# Allegro board RK3588S_Template_LP5D315P232SD10H2_42x42_2750MHz_1R2_V10_20220413YWQ.brd (continued)
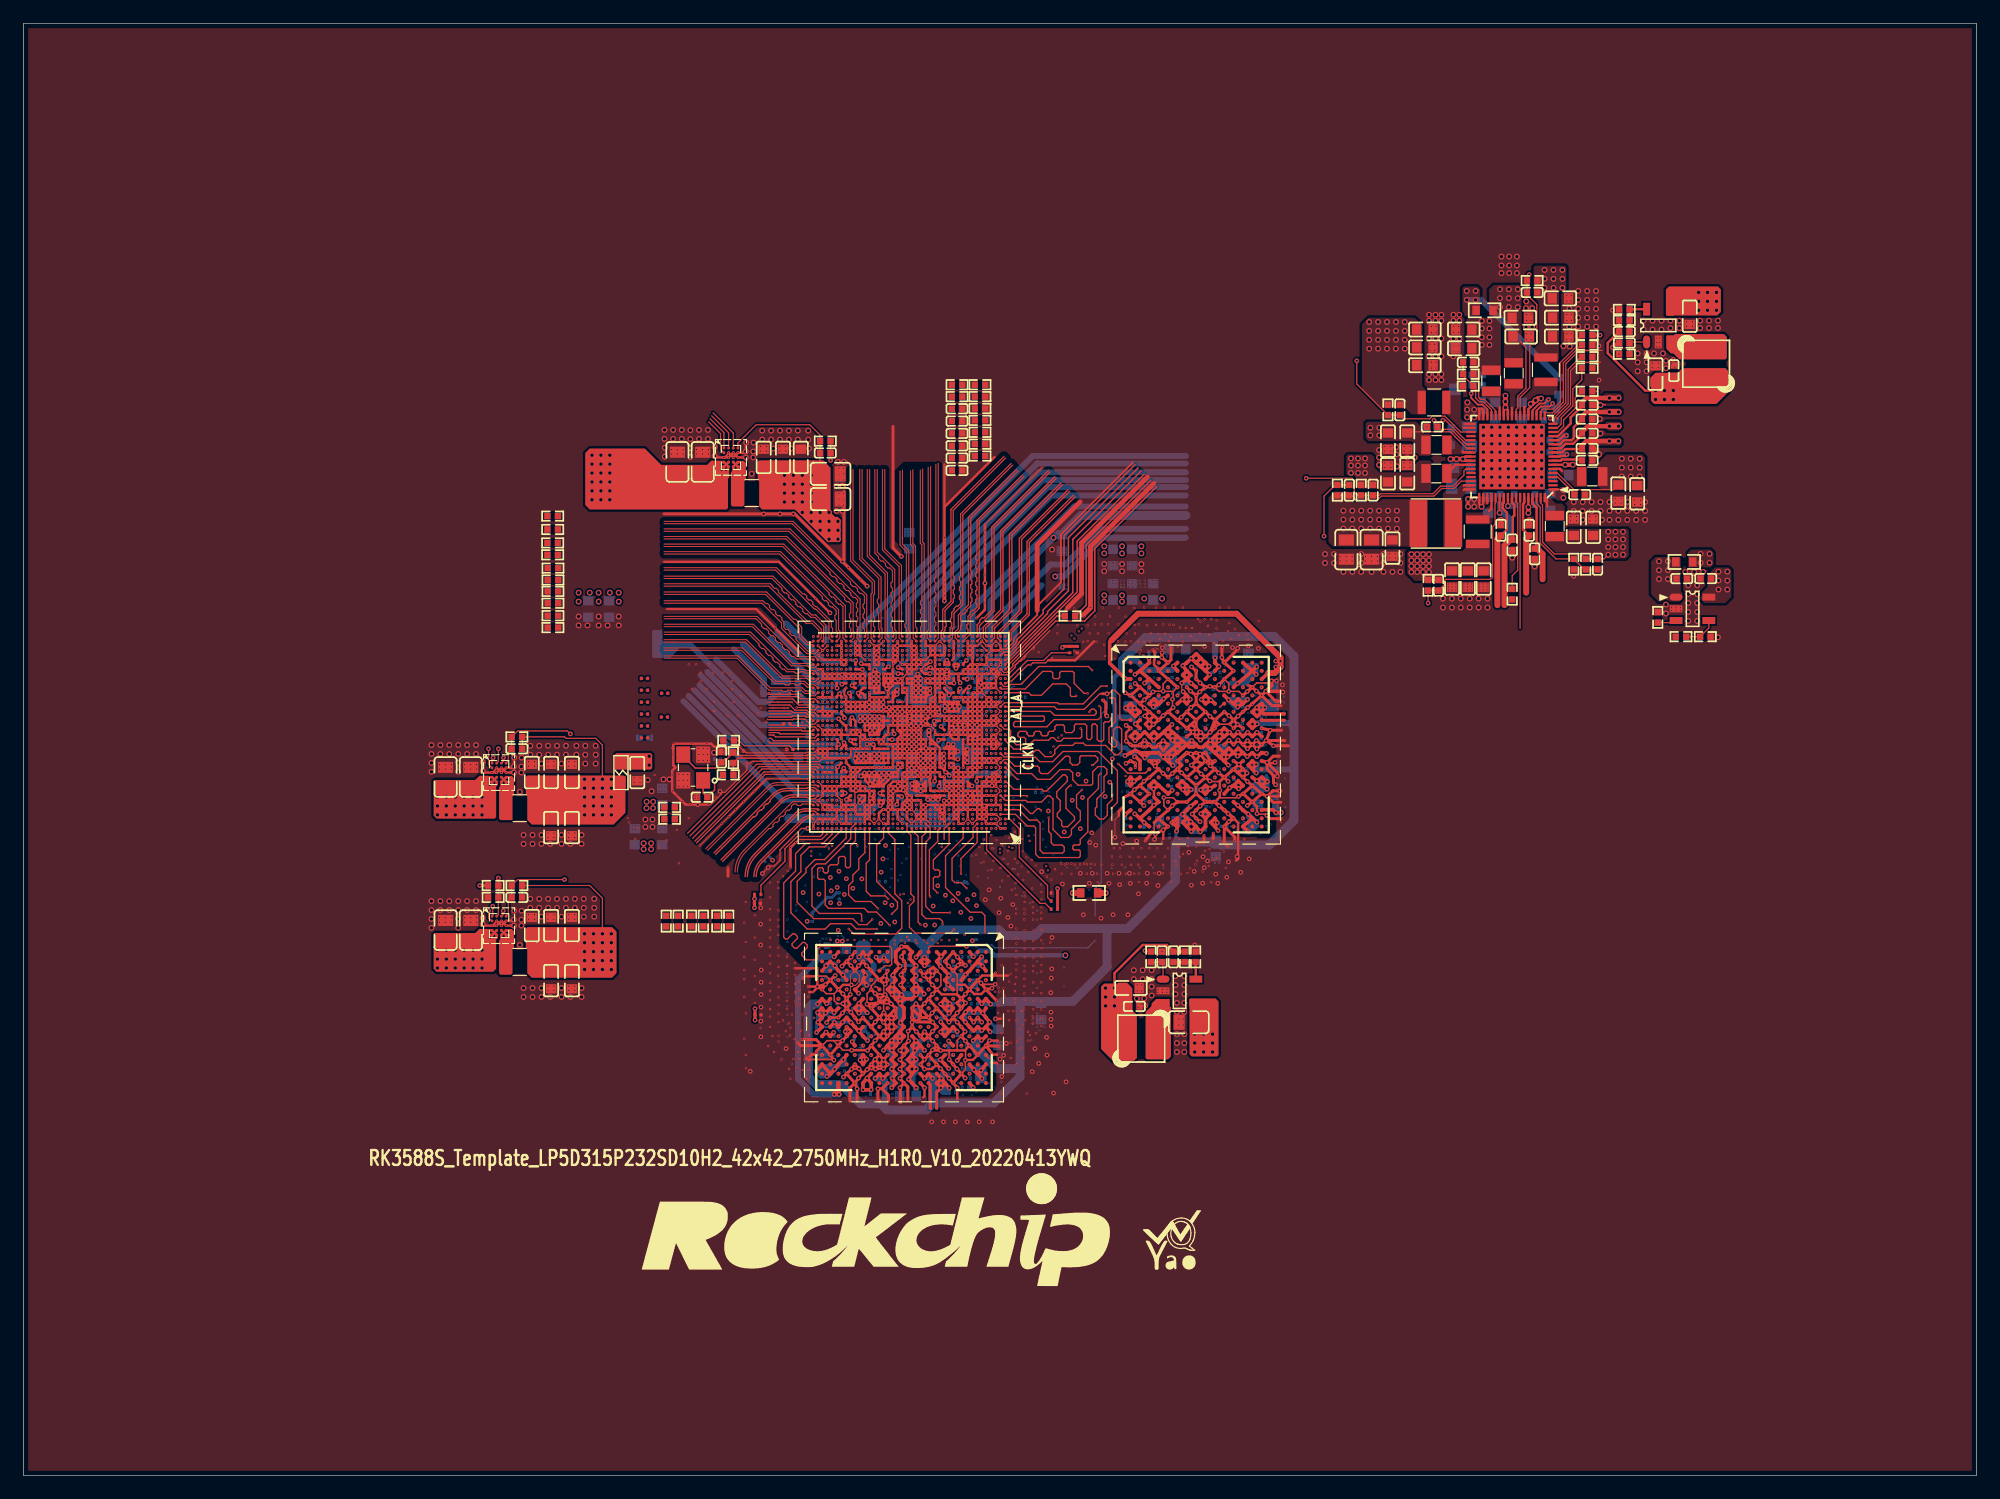
[diagram p0: board, top side]
## Routing (per net, layer and track width the routed paths; a pad name or vN(x,y) marks a point on that pad's centre or on a via; arc(x,y) is an arc through that point) (continued)
  L8-S3 w0.152: 84.85,46.56 84.46,46.95 ; 84.46,46.95 84.67,46.95 84.96,46.66 ; 84.46,46.95 v1(84.37,46.95) ; v4(80.49,44.05) 80.34,43.9 v6(80.06,43.9) 79.91,43.9 79.85,43.96 ; v6(83.93,46.85) 84.27,46.85 v1(84.37,46.95) ; v6(83.93,46.85) 83.93,46.9 83.53,47.3 v6(83.45,47.3) 83.46,47.29 v6(83.72,47.29) 83.74,47.29 ; v6(83.93,46.85) 83.92,46.87 v6(83.92,47.12) ; v6(73.97,46.31) 73.72,46.31 v6(73.67,46.26) ; 81.31,42.85 81.29,42.84 v4(80.98,42.84) ; 81.31,42.85 v6(81.31,43.09) ; 81.31,42.85 v5(81.41,42.76) ; v4(79.11,41.09) 78.91,41.09 78.78,40.96 ; v4(79.11,41.09) 79.11,40.82 79.13,40.8 ; v4(79.11,41.09) 79.26,40.93 v6(79.59,40.93) ; v6(79.41,40.8) 79.13,40.8 ; 77.96,41.14 78.09,41 v6(78.09,40.79) 78.13,40.83 ; 79.13,40.8 78.98,40.8 ; 78.98,40.8 78.9,40.88 ; 78.98,40.8 78.92,40.74 v6(78.78,40.74) ; v6(80.43,47.11) 80.28,47.11 v6(80.21,47.18) v6(79.7,47.18) ; v6(78.16,51.84) 78.16,52.03 v6(78.24,52.11) 78.46,52.11 v6(78.53,52.19) 78.71,52.19 v6(78.79,52.1) 78.8,52.1 v6(79.05,51.85) ; 72.03,36.53 71.8,36.76 v6(71.8,36.79) ; 97.79,64.61 97.83,64.66 97.83,64.94 ; 97.79,64.61 97.4,64.61 v6(97.31,64.51) 97.3,64.51 97.11,64.33 v6(97.11,64.3) 96.9,64.3 v6(96.85,64.36) ; 97.79,64.61 v6(98.33,64.61) ; v6(83.06,59.92) 82.92,60.06 v4(82.76,60.06) v6(82.76,59.76) ; v6(78.87,51.72) 78.99,51.72 v4(79.23,51.48) ; v4(79.75,41.83) 79.75,41.56 79.78,41.52 ; 78.78,40.96 v6(78.78,40.74) ; 78.78,40.96 78.78,41.11 v6(78.77,41.12) ; v1(76.29,37.94) 76.35,38.01 v5(76.35,38.85) 76.23,38.73 v1(75.93,38.73) ; 84.26,46.95 83.92,47.29 83.74,47.29 ; 84.26,46.95 v1(84.37,46.95) ; 84.26,46.95 84.08,46.95 v6(83.92,47.12) ; v6(83.92,47.12) 83.74,47.29 ; v6(81.74,46.3) 81.56,46.3 v6(81.46,46.4) 81.36,46.5 v6(81.36,46.64) ; v6(73.71,48.12) 73.62,48.04 v6(73.62,47.83) 73.6,47.83 v6(73.44,47.67) ; v1(82.51,50.05) 82.94,50.05 83.04,50.15 ; v6(79.21,50.75) 79.46,50.75 v6(79.52,50.81) ; v4(97.04,65.55) 96.95,65.46 v6(96.95,65.01) ; 84.75,46.46 84.37,46.84 v1(84.37,46.95) ; 78.13,40.83 v6(78.13,41.04) 77.78,41.04 v1(77.69,41.14) ; 78.13,40.83 78.16,40.85 v4(78.44,40.85) 78.55,40.74 v6(78.78,40.74) ; v4(80.62,68.83) 80.62,69.06 v5(80.72,69.16) ; v6(73.68,46.97) 73.72,47 v6(73.93,47) ; v6(79.34,51.08) 79.34,51.08 v4(79.84,51.08) ; v1(70.77,36.35) 70.79,36.35 71.2,36.76 ; v6(79.91,41.52) 79.78,41.52 ; 79.78,41.52 79.68,41.52 v6(79.66,41.49) ; 78.67,40.85 78.67,40.99 78.66,41.01 ; 87.76,62.11 87.08,62.11 v4(86.83,62.36) ; v6(83.09,48.88) 83.09,48.66 v6(83.07,48.64) ; v1(69.72,48.87) 69.5,48.87 69.43,48.95 ; 79.82,55.98 79.59,55.74 v6(79.48,55.74) 79.43,55.79 v6(79.43,56.05) 79.77,56.05 v4(79.84,55.98) 79.82,55.98
  L8-S3 w0.203: v5(83.99,64.14) 83.99,64.6 v5(83.82,64.77) ; 99.73,70.51 99.73,70.68 ; 99.73,70.51 99.76,70.55 v6(99.76,70.81) 100.15,70.81 ; 99.73,70.51 v6(99.65,70.44) ; 93.46,67.85 v6(93.47,67.84) 93.67,67.64 v4(93.81,67.64) ; 93.46,67.85 93.14,68.17 ; 93.46,67.85 93.46,68.17 ; v4(89.27,68.14) 89.08,67.95 88.82,67.95 88.64,67.77 88.64,66.81 v4(88.65,66.8) ; v4(73.67,59.18) 74.37,59.18 v4(74.42,59.23) 74.7,59.51 v4(74.78,59.51) 75.21,59.51 75.23,59.54 75.26,59.54 v4(75.27,59.55) 75.26,59.56 75.39,59.69 75.39,59.79 75.34,59.84 75.32,59.84 v5(75.31,59.86) 75.32,59.86 75.34,59.87 75.39,59.82 75.54,59.97 v4(75.54,60.07) ; v1(69.99,37.16) 70.22,37.4 v1(70.22,37.94) 70.22,37.96 70.43,38.17 70.76,38.17 v1(71.36,38.77) ; v1(69.99,37.16) 70.77,36.38 v1(70.77,36.35) 70.55,36.35 69.96,36.93 69.96,37.14 v1(69.99,37.16) ; v1(69.99,37.16) 69.78,37.37 69.1,37.37 ; v1(69.99,37.16) 69.36,37.16 v4(69.33,37.14) 69.1,37.37 ; v4(99.98,70.58) 99.62,70.22 v4(99.07,70.22) ; v5(70.54,60.47) 72.14,60.47 v5(72.16,60.45) 72.24,60.45 72.26,60.47 72.88,60.47 72.9,60.45 ; 93.23,68.39 v4(93.46,68.39) 93.46,68.17 ; 93.23,68.39 93.23,67.97 v6(93.06,67.8) ; 93.23,68.39 92.91,68.39 v4(92.89,68.37) ; v6(90.85,66.42) 90.85,66.17 v4(90.77,66.09) ; v4(79.72,65.24) 79.76,65.2 79.76,64.77 v5(79.88,64.64) 80.42,64.11 v1(80.42,64.11) ; v1(94.13,66.88) 93.84,67.17 v6(93.84,67.26) 93.81,67.29 v4(93.81,67.64) ; 100.74,70.81 100.15,70.81 ; 100.15,70.81 v6(100.18,70.84) ; v1(70.71,44.29) v5(70.71,43.94) v1(70.71,43.57) 70.72,43.55 v1(72.05,43.55) ; v5(78.59,62.48) 78.59,62.71 v6(78.61,62.74) 78.84,62.97 v4(78.87,62.97) v4(79.27,62.97) ; v6(69.09,62.36) 69.37,62.08 v5(69.47,62.08) 69.82,62.08 69.93,62.18 70.39,62.18 v4(70.54,62.33) ; 92.87,68.37 92.13,68.37 v4(91.88,68.12) ; 92.87,68.37 92.53,68.72 ; 92.87,68.37 v4(92.89,68.37) ; v4(70.84,60.71) 73.63,60.71 v4(73.69,60.76) ; 81.04,66.01 v4(81.29,66.26) ; 81.04,66.01 81.03,66 v5(81.03,65.99) 80.72,65.99 v5(80.7,66.01) ; 81.04,66.01 v5(80.7,66.01) ; v6(71.11,40.77) 70.77,41.11 v1(70.65,41.11) 70.59,41.17 v1(70.01,41.17) 70.02,41.16 v1(70.02,40.33) 69.99,40.29 v1(69.99,39.53) 70.05,39.59 v1(70.7,39.59) 70.7,39.43 v1(71.36,38.77) ; 72.19,56.08 v6(72.01,56.26) ; 72.19,56.08 72.07,56.08 72,56.01 v6(71.75,56.01) ; 72.19,56.08 72.29,56.08 ; 69.1,37.37 v4(68.91,37.37) ; v4(75.49,60.5) 75.44,60.5 v5(75.23,60.71) 75.01,60.93 v4(75.01,61.04) ; 93.14,68.17 92.93,68.37 v4(92.89,68.37) ; 93.14,68.17 93.46,68.17 ; v5(80.7,66.01) 80.7,66.04 v4(80.48,66.25) ; 72.15,36.05 72.64,35.56 ; v4(75.11,66.9) 75.11,67.13 v5(75.18,67.21) ; v6(72.17,38.13) 71.52,38.77 v1(71.36,38.77) ; v6(75.87,67.44) 75.74,67.56 v4(75.74,67.72) ; v6(72.39,38.28) 72.77,38.66 v1(72.77,38.76) ; 67.75,36.53 67.75,36.53 v5(68.13,36.53) ; v4(73.12,62.42) 73.55,62.42 v4(73.56,62.43) ; v1(72.12,36.33) 72.12,36.44 72.03,36.53 72.42,36.53 v6(72.65,36.76) ; v5(79.67,72.52) v4(79.67,72.19) ; v4(93.81,67.64) 93.61,67.44 v6(93.49,67.44) ; v4(76.72,69.7) 76.68,69.7 v5(76.45,69.47) 76.43,69.45 v5(76.43,69.01) 76.56,68.88 v4(76.71,68.88) ; v5(78.1,63.53) v5(78.1,63.32) ; v1(73.63,48.95) v5(73.63,49.73) ; v5(80.64,71.15) v4(80.85,70.94)
  L8-S3 w0.254: v4(67.89,57.96) v4(67.39,57.96) v4(66.88,57.96) ; v4(67.89,57.96) 67.73,57.8 v6(67.13,57.8) 67.04,57.8 ; v4(67.89,57.96) 67.82,58.04 66.71,58.04 66.63,57.96 ; v4(91.25,61.13) 91.33,61.13 91.47,60.99 ; v6(92.18,68.37) 92.53,68.72 v4(92.53,68.83) ; 75.57,34.74 75.57,34.74 v1(74.89,34.74) ; 75.57,34.74 v4(75.57,35.11) ; 75.57,34.74 75.57,34.49 v4(75.56,34.48) 75.56,34.48 75.36,34.28 ; v1(102.98,55.87) 102.59,55.49 v6(102.59,55.49) ; v1(102.98,55.87) 102.98,56.52 v1(102.94,56.56) 103.42,56.56 103.75,56.23 ; v1(102.98,55.87) 103.36,55.87 v6(103.64,56.15) ; v4(102.46,64.91) 102.99,64.91 v1(103,64.92) 103.75,64.92 v1(103.78,64.89) ; 70.06,34.1 v4(70.37,34.41) 70.29,34.49 v4(69.94,34.49) 70.06,34.37 70.06,34.1 ; 70.06,34.1 v1(70.06,34.05) ; v1(96.69,60.61) 96.69,60.63 ; 96.69,60.63 96.69,60.63 96.72,60.66 v1(97.37,60) ; 96.69,60.63 96.44,60.88 94.24,60.88 v1(94.21,60.86) 94.19,60.88 93.4,60.88 v1(93.04,61.24) 92.49,61.24 v4(92.33,61.09) 92.17,60.93 v6(91.54,60.93) 91.47,60.99 ; 72.15,36.05 72.15,36.29 v1(72.12,36.33) ; v1(83.03,41.97) 83.03,41.92 v1(82.75,41.64) ; v4(71.64,40.81) 72.11,40.81 v6(72.16,40.77) ; v1(99.79,60.7) 99.74,60.75 v1(99.74,61.66) ; v1(99.79,60.7) 99.87,60.7 v4(100.24,60.33) ; v1(99.79,60.7) 99.63,60.7 v1(98.96,60.03) 98.96,61.48 ; v1(75.59,37.96) 75.59,38.07 75.84,38.32 75.84,38.64 v1(75.93,38.73) ; v1(75.59,37.96) 75.59,37.16 v1(75.62,37.13) ; v1(75.59,37.96) 75.61,37.94 v1(76.29,37.94) ; 98.52,57.45 98.3,57.23 v1(98.16,57.23) ; v6(102.73,57.6) 102.36,57.23 v1(102.17,57.23) ; v6(70.95,35.14) 71.06,35.03 72.77,35.03 ; v6(70.95,35.14) 70.61,35.14 v6(70.61,35.15) ; v6(70.95,35.14) 70.93,35.16 ; v1(80.49,37.14) 80.49,37.82 ; 100.66,70.74 100.22,70.74 100.18,70.78 v4(99.98,70.58) 100.22,70.58 v6(100.36,70.43) ; 100.66,70.74 v6(100.36,70.43) ; 100.66,70.74 100.78,70.85 v1(100.93,70.85) ; v1(95.77,66.29) 95.82,66.25 v1(95.82,64.9) ; v1(99.74,61.66) 98.89,61.66 98.83,61.61 98.96,61.48 ; v1(99.74,61.66) v1(100.54,61.66) 100.74,61.46 v5(100.92,61.46) 100.93,61.46 ; 105.66,58.17 105.82,58.32 105.82,59.59 106.55,60.33 ; v1(101.42,60.65) 101.42,61.26 99.18,61.26 98.99,61.46 ; 91.47,60.99 91.47,60.17 v4(91.59,60.06) ; v6(77.29,35.63) 77.21,35.55 77,35.55 v1(76.99,35.54) ; v6(70.99,35.67) 70.93,35.61 70.93,35.16 ; v1(73.49,34.76) 73.77,34.49 73.77,34.21 ; v5(86.22,38.93) 86.47,38.93 86.47,38.93 ; v5(86.22,38.93) v5(86.22,39.24) 86.5,39.24 86.54,39.21 ; v5(86.22,38.93) 86.22,38.47 86.29,38.41 ; 80.49,37.82 80.49,37.91 v1(80.46,37.94) 80.49,37.96 80.49,38.04 ; 80.49,37.82 v6(80.07,37.4) ; v4(91.04,67.23) 91,67.23 90.82,67.05 90.49,67.05 v4(90.48,67.03) ; v1(77.69,37.14) 77.98,37.43 v6(78.07,37.43) ; v1(80.49,41.14) 80.49,41.13 v1(80.49,40.39) 80.49,40.24 v1(79.78,39.53) ; v1(77.68,37.96) 77.64,37.93 v1(77,37.93) 77,38.69 77.17,38.86 ; v1(77.68,37.96) 77.68,38.73 v1(77.69,38.74) 77.64,38.78 v1(77.64,39.53) 77.62,39.55 v4(77.62,40.09) ; v1(77.68,37.96) v1(77.68,36.36) ; v4(80.16,34.4) 79.82,34.74 v1(79.76,34.74) 79.1,35.4 79.1,35.53 ; 98.96,61.48 98.99,61.46 ; v4(70.71,35.49) 70.71,35.38 70.93,35.16 ; 80.49,38.04 v1(81.19,38.74) 81.2,38.75 v1(81.87,38.75) ; 80.49,38.04 v1(79.79,38.74) ; v1(102.14,67.56) 101.49,67.56 v1(101.37,67.44) 100.82,67.44 v1(100.54,67.72) 100.54,67.01 v1(100.51,66.97) 100.45,67.03 v1(99.72,67.03) ; 102.17,57.85 102.67,57.85 v6(102.71,57.89) ; 102.17,57.85 102.17,58.5 v1(102.22,58.55) ; 102.17,57.85 v1(102.17,57.23) ; v1(73.63,42.69) v1(73.63,41.99) v1(73.63,41.09) 73.6,41.06 73.6,40.26 ; 98.99,61.46 100.93,61.46 ; v6(100.36,70.43) 100.36,69.66 v1(99.81,69.1) ; v6(100.36,70.43) 99.84,70.43 99.84,70.44 ; v4(75.55,35.89) 74.91,35.89 74.89,35.92 ; 73.53,37.96 v1(74.18,37.96) ; 73.53,37.96 v1(73.5,37.93) 73.5,37.79 v4(73.19,37.48) ; 73.53,37.96 73.6,38.04 73.6,40.26 ; v1(74.18,37.96) v1(74.18,38.76) 73.53,38.76 v1(73.49,38.73) ; v1(74.18,37.96) 74.35,37.79 v6(74.69,37.79) ; v1(103.85,60.77) 103.85,60.44 104.22,60.07 104.49,60.07 v1(104.54,60.02) 104.54,59.34 v1(104.58,59.3) 104.58,58.85 104.66,58.78 ; 93.46,54.54 93.72,54.8 v4(93.72,55.35) ; 93.46,54.54 94.69,54.54 v4(95.02,54.88) ; 93.46,54.54 v1(93.26,54.54) 92.64,54.54 v6(92.38,54.28) 92.38,53.86 v6(92.39,53.86) ; v1(97.26,69.9) 97.32,69.96 v1(97.32,70.73) 97.79,70.73 v6(97.93,70.59) 98.01,70.51 ; 84.57,46.28 84.74,46.11 v6(84.74,45.75) ; 84.57,46.28 v6(84.55,46.28) ; 84.57,46.28 85.1,46.81 85.1,48.23 v1(84.54,48.79) ; v1(79.09,33.94) 78.36,34.67 v1(78.36,34.78) 79.1,35.53 ; v4(66.88,57.96) 66.63,57.96 ; v4(66.88,57.96) 67.04,57.8 ; 66.63,57.96 v6(66.58,57.91) 66.69,57.8 67.04,57.8 ; v1(96.64,54.36) 96.64,54.74 v1(96.71,54.82) 96.71,55.11 96.78,55.18 v1(97.39,55.18) 97.39,54.88 v4(97.57,54.7) ; v4(90.62,61.03) 90.46,60.87 v4(90.15,60.87) ; v1(104.6,65.63) 103.97,66.25 103.97,66.46 104.5,66.99 v1(104.56,66.99) ; v1(103.82,58.03) 104.58,58.03 104.59,58.04 ; v1(102.17,57.23) 100.56,57.23 v1(100.54,57.21) 100.54,57.21 v1(99.86,56.52) 99.89,56.52 v1(100.53,55.88) ; v1(76.99,34.74) 76.99,34.66 76.4,34.08 ; 100.93,61.46 v5(101.32,61.46) ; 72.77,35.03 72.77,34.76 v1(72.8,34.73) ; 72.77,35.03 v1(72.77,35.56) 72.64,35.56 ; 70.84,60.71 v4(70.84,60.71) ; v4(72.76,42.17) 72.76,42.15 72.77,42.14 v1(72.77,41.2) 72.16,41.2 v4(72.07,41.11) 72.07,40.29 v1(72.08,40.28) ; v1(100.57,62.84) 100.57,63.49 v1(100.58,63.51) ; 103.64,72.63 v6(103.64,72.5) 103.3,72.17 v1(103.3,70.74) 103.69,70.74 v1(103.75,70.69) 104.14,70.3 104.14,69.85 104.39,69.6 105.54,69.6 105.8,69.33 105.8,68.93 105.79,68.92 105.79,67.06 ; 74.89,35.92 v1(74.89,35.54) 74.87,35.52 v1(73.49,35.52) ; 74.89,35.92 v1(74.89,36.34) ; v1(91.28,54.92) 90.98,54.62 89.7,54.62 v4(89.62,54.55) ; 79.1,35.53 v1(79.1,35.54) ; v1(83.05,39.03) 83.05,39.02 v6(83.31,38.77) ; 73.6,40.26 73.62,40.27 73.87,40.27 73.9,40.31 v1(74.14,40.31) ; v6(90.43,60.18) 90.38,60.18 v1(90.11,59.92) ; v6(90,54.78) 90.3,55.08 v1(90.3,55.28) ; v1(95.12,54.22) 94.71,54.63 v4(94.41,54.63) ; v1(99.93,63.53) 101.37,63.53 v1(101.39,63.51) ; v4(98.25,70.41) 98.16,70.31 v1(97.3,70.31) ; v4(103.4,69.15) 103.4,69.26 103.82,69.68
  L8-S3 w0.305: v4(73.94,63.75) 73.79,63.75 v5(73.66,63.63)
  L8-S3 w0.381: v1(71.39,34.76) 70.78,34.76 v1(70.75,34.73) 70.69,34.73 v4(70.37,34.41) ; v1(71.39,34.76) 71.4,34.76 v1(73.49,34.76) ; v1(71.39,34.76) 71.36,34.73 v1(71.36,33.96) 71.36,33.86 71.68,33.54 ; v1(102.39,69.9) 102.53,69.9 102.81,70.19 ; 74.05,53.89 74.08,53.89 v5(74.42,54.23) 74.42,54.61 v5(74.04,54.99) v5(73.28,54.99) v5(72.01,53.72) v5(71.25,53.72) v5(70.1,53.72) v5(68.71,53.72) v5(68.07,53.09) v5(68.07,51.69) v5(67.56,51.18) v5(66.8,50.42) 66.04,49.66 v5(66.04,48.26) v5(65.28,47.5) v5(65.28,46.48) v5(65.28,45.59) v5(65.28,44.58) v5(65.28,43.56) v5(65.28,42.55) v5(65.28,41.78) v5(65.28,40.89) v5(65.28,40.13) v5(65.28,39.37) v5(65.28,38.61) v5(65.28,37.47) 65.28,36.61 v1(65.16,36.49) 65.02,36.35 65.02,35.81 v5(65.66,35.18) 65.79,35.05 v6(65.79,34.42) 65.79,34.29 v6(66.29,33.78) 66.93,33.15 v6(67.06,33.15) v6(68.07,33.15) v6(69.34,33.15) 70.36,33.15 71.12,32.39 v5(72.01,32.39) 74.8,32.39 74.93,32.51 v6(75.69,32.51) v6(77.09,32.51) v6(78.1,32.51) v6(78.99,32.51) v5(80.26,32.51) v5(81.03,32.51) 83.57,32.51 85.09,34.04 85.09,36.2 85.34,36.45 85.34,37.47 86.29,38.41 ; 74.05,53.89 74.29,53.65 74.41,53.76 ; 74.05,53.89 74,53.84 v1(73.67,53.84) ; 84.02,35.35 83.67,35.35 v1(83.44,35.59) ; 84.18,35.54 83.81,35.91 v1(83.74,35.91) ; v4(67.86,36.97) 67.75,36.86 v1(67.75,35.99) ; v6(79.95,36.18) 80.47,35.66 v1(80.47,35.49) 80.86,35.49 v4(81,35.35) ; v4(83.4,48.73) 83.51,48.84 v1(83.51,49.33) 83.51,49.68 83.04,50.15 83.04,50.56 82.84,50.76 ; 96.71,55.11 95.26,55.11 v4(95.02,54.88) ; v1(104.56,66.99) 105.3,66.99 v1(105.34,67.03) ; v1(79.1,35.54) 79.58,36.02 v4(79.58,36.43) ; v5(73.63,49.73) v5(74.74,50.85) 74.74,52.31 ; 79.68,52.19 79.65,52.16 v4(79.22,52.16) ; v1(74.89,34.74) v1(74.89,33.94) ; 74.74,52.31 v5(74.74,53.53) 74.84,53.63 ; 74.74,52.31 74.23,52.31 v5(73.84,52.69) v1(73.44,52.69) ; v1(77.68,36.36) 78.33,36.36 v1(78.37,36.33) 79.33,36.33 79.4,36.25
  L8-S3 w0.406: 105.66,58.17 105.28,57.78 105.03,57.78 103.84,56.6 v4(103.84,56.51) 104.01,56.34 104.01,54.1 103.25,53.34 100.08,53.34 98.68,51.94 v5(97.41,51.94) v5(96.52,51.94) v5(95.38,51.94) v5(94.11,51.94) v5(92.96,51.94) v5(91.19,51.94) v5(90.04,51.94) v5(89.15,51.94) v5(88.65,52.45) v5(88.01,53.09) v5(87.38,53.72) v5(86.36,54.74) v5(85.6,55.5) 85.6,60.71 84.71,61.59 84.71,64.77 85.09,65.15 v5(85.09,66.93) 85.34,67.18 v5(85.34,67.69) v5(85.34,68.45) v5(85.34,69.09) 85.34,70.99 v6(86.36,72.01) v6(87.25,72.9) v6(88.39,72.9) v6(89.66,72.9) v6(90.68,72.9) v6(91.69,72.9) v6(92.96,72.9) v6(93.85,72.9) v6(94.49,72.9) v6(95.25,72.9) v6(96.01,72.9) v6(97.16,72.9) v6(98.17,72.9) v6(99.19,72.9) v6(100.2,72.9) v6(101.97,72.9) v6(102.37,72.5) 103.51,72.5 103.64,72.63 ; 105.79,67.06 106.93,65.91 v5(106.93,64.9) v1(106.93,60.94) 106.93,60.71 106.55,60.33 ; 85.34,36.45 v5(86.11,37.21) 86.61,37.72 v5(86.61,39.5) v5(86.61,41.66) v5(86.61,42.93) v5(86.61,43.94) v5(86.61,47.5) v5(86.61,48.26) v5(85.98,48.89) v5(85.34,49.53) v5(84.71,50.16) v5(84.71,51.82) v5(83.82,52.7) v5(82.93,53.59) v5(82.17,54.36) v5(81.41,55.12) v5(80.77,55.75) 80.77,56.39 80.11,57.05 79.86,57.05
  L9-GND3 w0.064: 80.11,62.33 80.31,62.13 80.31,61.82 ; v1(80.04,67.74) 80.48,67.74 80.51,67.72 80.78,67.72 80.81,67.74 81.74,67.74 81.76,67.77 v1(81.79,67.77) ; v6(94.24,58.07) v10(94.49,58.04) ; v1(71.4,63.35) 71.4,63.43 71.17,63.66 71.17,65 71.25,65.08 v6(71.25,65.28) ; v10(77.44,35.5) v6(77.29,35.63)
  L9-GND3 w0.076: v1(80.04,67.74) 79.62,67.33 v10(79.62,66.62) ; v6(102.51,64.45) v10(102.81,64.6) ; 76.53,59.49 76.33,59.28 76.33,58.65 76.25,58.57 76.25,58.39 ; 70.1,66.65 70.1,67.01 70.33,67.23 ; 80.21,61.54 80.21,61.24 80.26,61.19 80.26,61.21 ; 72.42,61.98 72.36,61.92 72.36,61.1 72.64,60.81 72.67,60.81 ; v10(97.78,60.15) 97.78,60.16 97.74,60.2 v6(97.62,60.3) ; v6(79.38,61.99) 79.43,61.99 79.67,62.23 79.71,62.23 79.77,62.3 79.84,62.3 ; v5(71.28,67.45) 70.97,67.15 70.97,66.66 v5(70.82,66.5) ; 80.88,61.69 80.47,61.69
  L9-GND3 w0.102: 78.26,60.42 78.36,60.52 78.38,60.5 78.92,60.5 78.97,60.44 79.18,60.44 ; 78.87,68.85 78.79,68.85 78.69,68.75 v5(78.69,68.73) ; 80.24,60.8 80.24,61.1 ; 77.98,65.81 78,65.79 78.14,65.79 78.5,66.16 79.03,66.16 ; v1(81.87,67.36) 81.62,67.11 81.21,67.11 v10(80.39,66.29) ; v5(70.92,63.93) 71.02,64.03 v6(72.54,64.03) 73,64.03 v6(73.02,64.01) ; 72.12,64 72.14,64 72.22,64.08 73.39,64.08 73.46,64.15 ; 72.09,59.58 72.19,59.68 72.92,59.68 74.13,58.47 v1(74.32,58.47) ; 75.06,57.51 75.03,57.51 74.75,57.78 74.6,57.78 ; 72.47,62.02 73.59,62.02 ; v5(77.44,67.86) 77.02,67.44 77.02,66.27 v6(76.99,66.24) ; 80.47,61.69 80.42,61.69 ; 77.42,58.18 77.12,58.18
  BOTTOM w0.064: C1800.2 69.09,57.74 69.17,57.74 69.21,57.78 v5(69.34,57.78) ; v5(71.5,63.04) 71.55,63.04 71.7,63.19 71.78,63.19 C1025.2 ; v5(79.67,72.52) 79.58,72.52 R1400.2 ; 70.43,63.68 70.35,63.68 v5(70.33,63.7) ; 70.43,63.68 70.48,63.68 ; 70.43,63.68 C1023.2 ; v5(77.62,67.77) 77.58,67.81 77.44,67.81 ; 68.45,55.22 66.78,55.22 66.17,54.61 ; v5(76.33,61.09) 76.2,61.09 76.17,61.11 75.88,61.11 ; v5(78.99,63.75) 79.12,63.63 79.12,63.52 ; C1029.2 70.96,63.91 70.94,63.93 v5(70.92,63.93) ; v10(71.63,59.31) 71.73,59.21 71.88,59.21 ; C1611.2 70.62,68.99 70.62,68.96 ; C1022.2 79.23,65.23 79.23,64.85 v5(79.2,64.82) ; C1030.2 77.11,61.34 v5(76.99,61.21) 77.01,61.21 77.22,61.42 77.35,61.42 ; 71.03,70.91 70.91,70.91 v5(70.87,70.87)
  BOTTOM w0.102: 72.85,66.14 72.85,66.14 C1038.2 72.85,65.7 ; v5(71.28,67.45) 71.37,67.55 71.82,67.55 ; v5(77.91,65.74) 77.91,65.75 78.41,66.25 C1004.2 ; v5(69.47,62.08) 67.03,62.08 v10(66.93,61.98) ; v1(81.46,64.15) 81.46,64.38 84.52,67.44 84.71,67.44 ; 71.82,67.55 71.85,67.55 72.03,67.73 v5(72.03,67.82) ; 71.82,67.55 71.82,67.52 C1017.2 ; 70.62,68.86 70.62,68.96 v5(70.49,68.83) 70.49,68.88 70.59,68.99 70.62,68.99 ; 72.85,65.7 72.85,65.3 72.86,65.29 v5(72.86,65.28) ; 72.85,65.7 73.01,65.7 73.41,65.3 v5(73.41,65.18) ; v5(70.82,66.5) 70.67,66.35 v5(70.67,66.29) ; 70.99,68.34 70.99,68.2 71,68.2 ; 70.99,68.34 71.02,68.36 ; 70.99,68.34 70.74,68.34 ; C1600.2 70.26,68.36 ; 70.26,68.36 70.32,68.36 v5(70.48,68.2) ; 70.26,68.36 70.26,68.57 v5(70.15,68.68) ; 71,68.2 70.97,68.2 70.87,68.3 70.87,68.33 ; 71,68.2 v5(71.08,68.2) ; 78.11,67.03 77.95,67.03 77.93,67.01 v5(77.85,67.01) 77.88,67.03 v5(77.88,67.31) 77.88,67.39 77.88,67.38 77.88,67.36 78.13,67.61 ; 78.11,67.03 78.13,67.01 ; 78.11,67.03 C1714.2 ; 71.91,59.21 71.88,59.21 C1003.2 ; v1(73.89,56.87) 73.89,55.73 73.1,54.94 72.01,54.94 71.73,55.22 68.45,55.22 ; v5(72.9,66.42) 72.9,66.26 72.79,66.14 72.79,65.87 ; 70.87,68.33 70.76,68.22 v5(70.74,68.22) ; 70.87,68.33 C1907.2 70.87,68.36 ; 70.39,63.83 70.39,63.77 70.48,63.68 70.48,63.8 v5(70.51,63.83)
  BOTTOM w0.152: v1(78.21,65.22) 78.31,65.22 78.66,64.87 v5(78.82,64.87) ; 71.91,59.21 v10(72.11,59.41)
  BOTTOM w0.203: 72.49,60.47 72.22,60.47 ; 72.49,60.47 v5(72.52,60.45) ; 72.49,60.47 72.54,60.47 72.83,60.76 ; v10(68.31,38.39) 68.38,38.32 68.97,38.32 ; v5(78.59,62.48) 78.61,62.51 78.61,63.1 79.04,63.52 79.12,63.52 C1221.2 ; 80.19,68.7 80.19,68.73 ; 80.19,68.7 80.37,68.53 v10(80.42,68.53) ; 80.19,68.7 80.19,68.66 v5(80.04,68.5) ; 80.19,68.73 C1725.2 ; 80.19,68.73 80.19,68.76 ; v10(68.86,38.43) 68.97,38.32 ; 68.97,38.32 69.4,38.32 v10(69.76,37.96) ; v10(75.06,58.93) v5(74.97,59.14) 75.39,59.56 75.39,59.79 ; 71.63,60.47 v5(71.89,60.47) 72.14,60.47 v5(72.16,60.45) ; 71.63,60.47 71.61,60.45 71.38,60.45 v5(71.35,60.48) 71.35,60.48 v5(71.04,60.48) ; 71.63,60.47 C1015.2 ; 75.39,59.79 v10(75.86,59.89) ; 75.39,59.79 75.34,59.84 75.32,59.84 v5(75.31,59.86) ; v5(70.86,56.79) 70.99,56.93 v5(70.99,57.1) 70.99,57.71 v10(71.02,57.73) ; v5(70.86,56.79) 70.86,57.39 v5(70.84,57.4) 70.74,57.31 v5(70.74,57.1) 70.69,57.1 v10(70.48,56.9) 70.36,56.77 ; v5(70.86,56.79) 70.83,56.77 70.36,56.77 ; C1075.2 72.83,60.76 ; 72.83,60.76 72.85,60.79 v10(73.13,60.79) ; 70.36,56.77 v5(69.6,56.77) v5(69.21,56.77) v5(68.58,56.77) ; v1(73.77,67.23) 73.77,66.83 v5(73.76,66.83) v5(73.76,66.45) ; v1(73.03,70.15) 73.05,70.15 73.3,69.9 ; v1(73.9,68.32) 73.89,68.32 73.77,68.2 73.59,68.2 C1041.2 ; v1(73.9,67.91) 73.9,67.91 74.05,67.76 v5(74.05,67.51) ; 77.96,63.42 77.79,63.25 77.79,62.94 77.42,62.57 v5(77.42,62.23) ; v5(79.45,60.74) 79.45,60.66 79.65,60.45 v1(79.86,60.45) 79.88,60.48 v5(79.88,60.76) 79.47,60.76 v5(79.45,60.74)
  BOTTOM w0.254: v10(73.57,60.84) 73.52,60.79 v10(73.13,60.79) ; 71,60.47 v5(70.54,60.47) ; v5(73.66,63.63) 73.63,63.59 C1104.2 73.63,63.15 73.79,62.99 73.79,62.41 73.78,62.41 73.84,62.35 74.65,62.35 C1103.2 ; 68.48,66.34 v10(68.15,66.34)
  BOTTOM w0.279: v5(78.59,62.48) 78.57,62.46 C1224.2